# Altium PCB SFYTH_PCB1.PcbDoc
Units mm, origin at the board's own origin, x right, y up, seen from the top; angles counter-clockwise.
Board outline 100.22 x 100.22 mm, 2 copper layers (Top Layer, Bottom Layer); 62 components, 80 nets, 286 pads, 73 vias.
Unrouted connection lines stored in the file: 3.
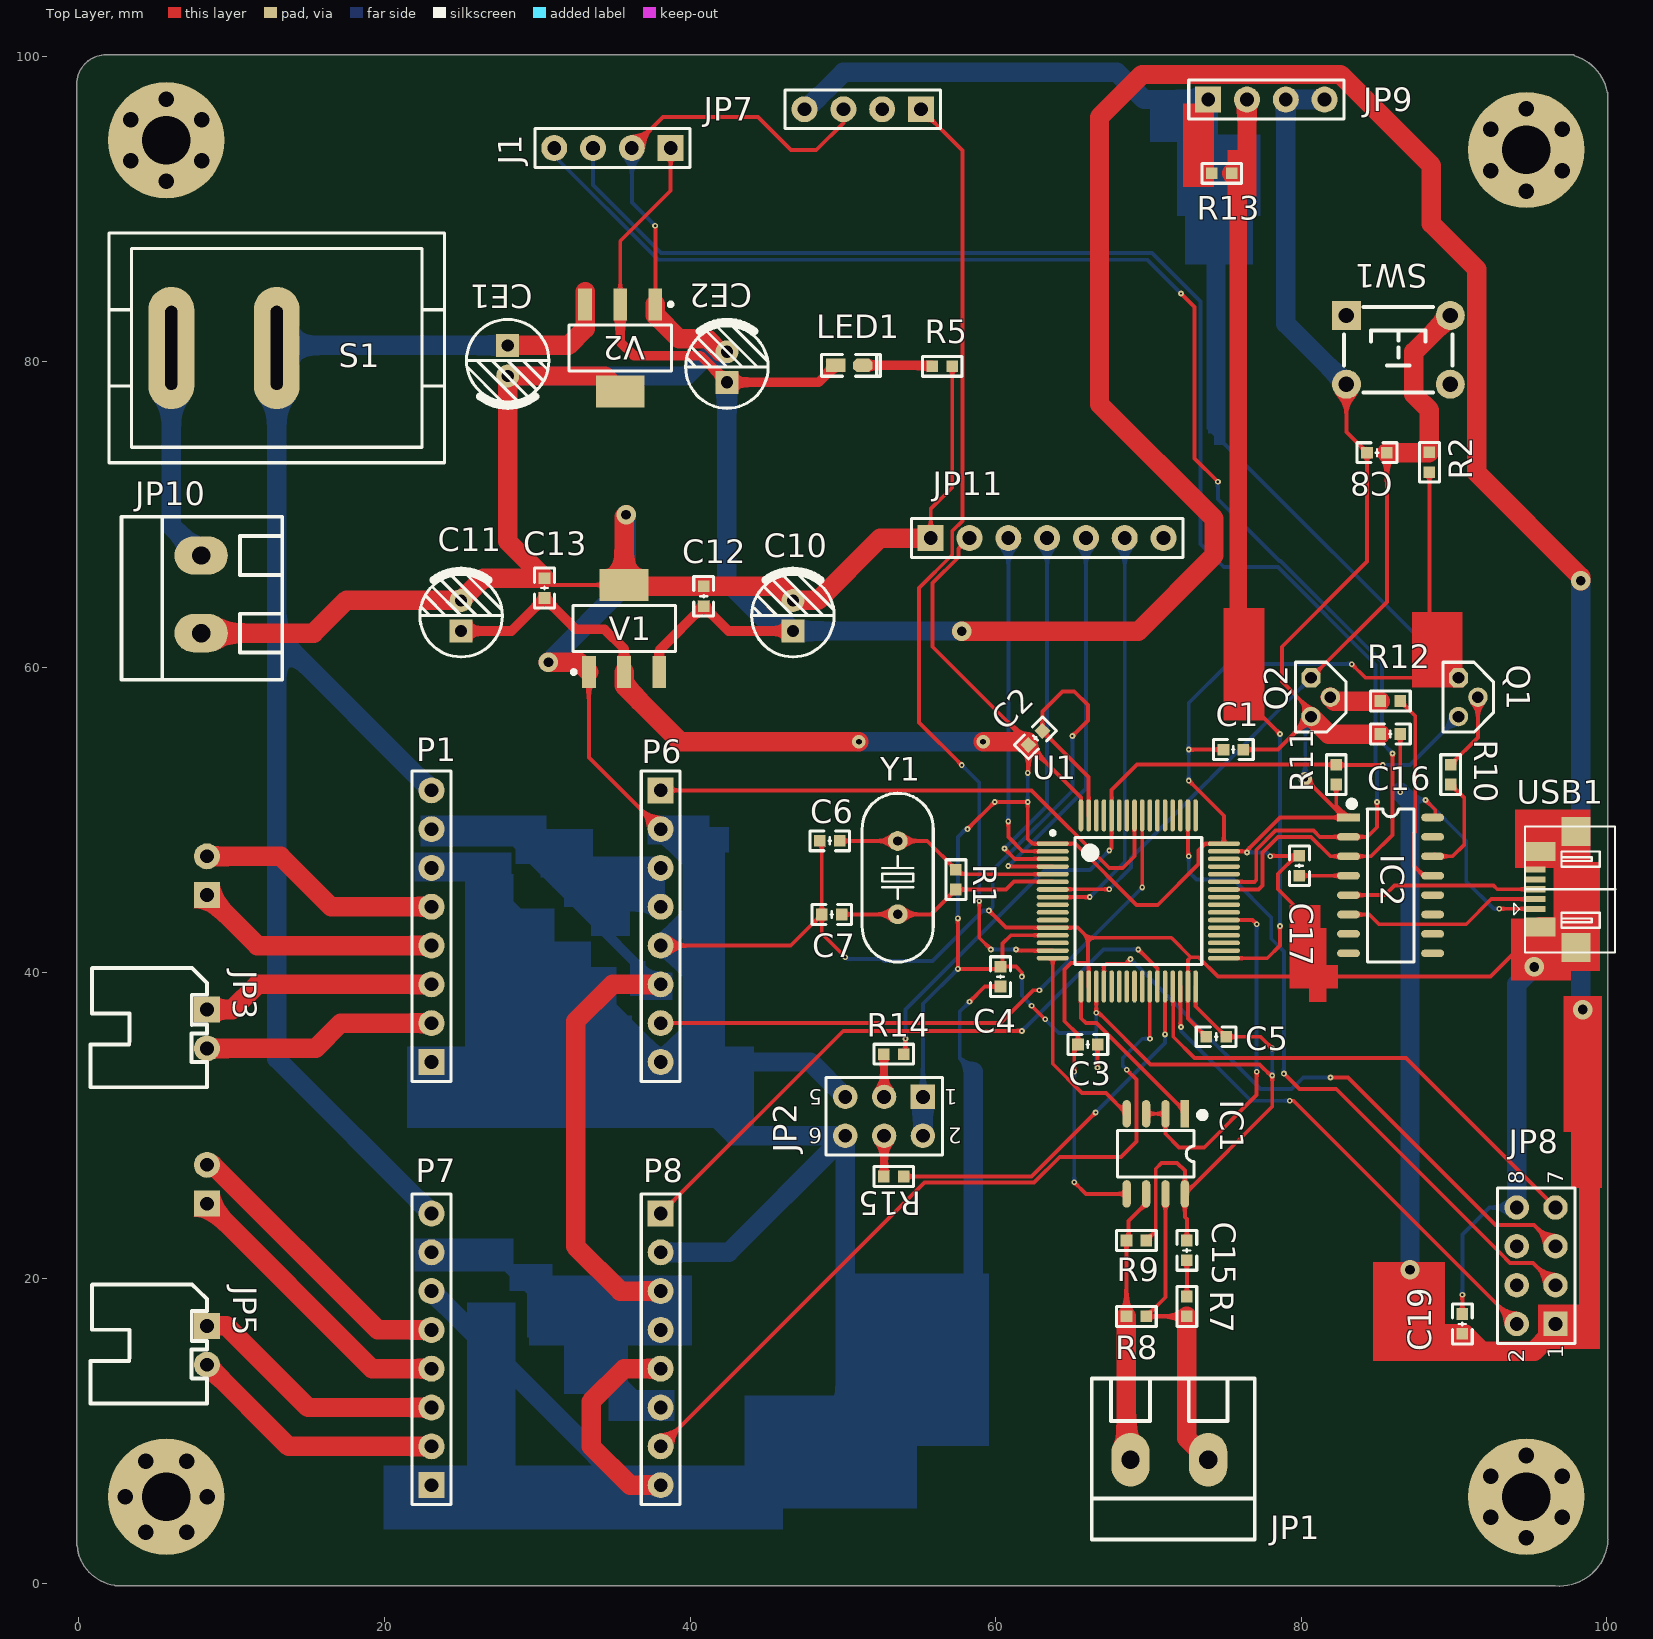
[diagram p0: Top Layer view]
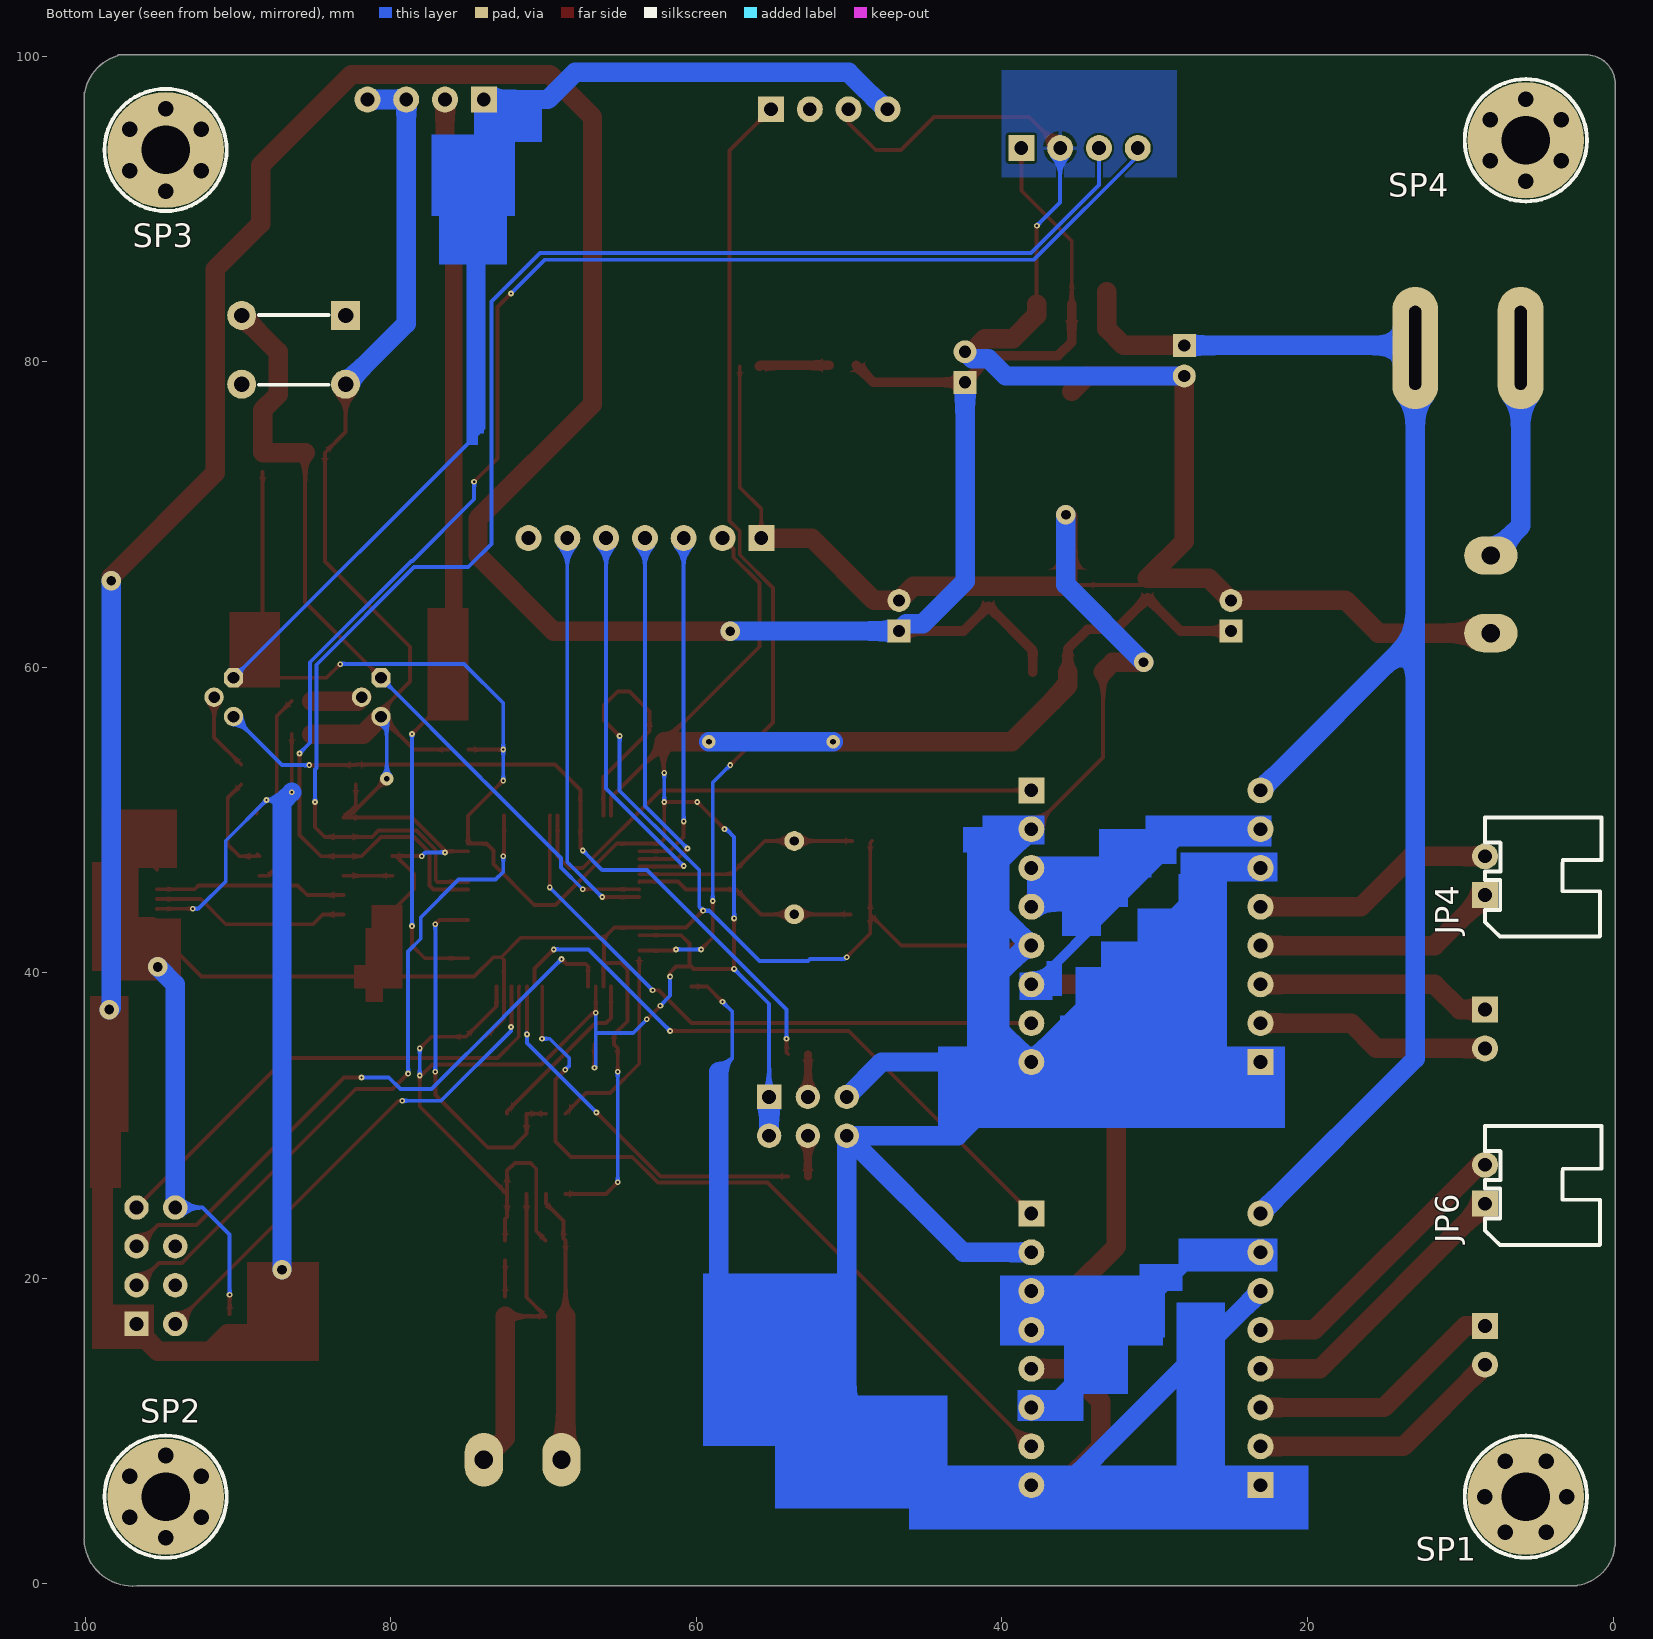
[diagram p1: Bottom Layer view, seen from below]

## Layer stack, top to bottom
Top Solder: solder mask 0.0102, Solder Resist, Dk 3.5
Top Layer: signal copper 0.0356
Dielectric 1: dielectric 0.32, FR-4, Dk 4.8
Bottom Layer: signal copper 0.0356
Bottom Solder: solder mask 0.0102, Solder Resist, Dk 3.5

## Board outline
-0.117,2.49 cw(c0,2.54) -0.127,2.54 -0.127,2.626 cw(c2.77,2.775) -0.127,2.924 -0.127,98.137 cw(c-0.005,98.171) -0.132,98.171 cw(c1.778,98.171) 1.642,100.076 cw(c1.778,98.171) 1.909,100.076 97.792,100.076 cw(c97.792,99.949) 97.9,100.017 cw(c97.018,97.088) 100.028,97.636 cw(c99.949,97.536) 100.076,97.536 100.076,2.965 cw(c99.957,2.921) 100.084,2.921 cw(c99.957,2.921) 100.084,2.915 cw(c96.901,3.048) 100.076,2.789 100.076,2.667 cw(c99.949,2.667) 100.055,2.596 cw(c96.901,3.048) 96.642,-0.127 2.413,-0.127 cw(c2.413,0) 2.324,-0.091 cw(c2.77,2.775)

## Design rules (kind name [scope] priority, off if disabled: settings)
Clearance [All] p1: gap=0.152 ignorepadtopadclearanceinfootprint=FALSE except(0: Arc-Hole Track-Hole SMDPad-Hole THPad-Hole Via-Hole Fill-Hole Poly-Hole Region-Hole Text-Hole)
PolygonConnect [All] p1: connectstyle=Relief reliefconductorwidth=0.254 reliefentries=4 polygonreliefangle="90 Angle" airgapwidth=0.254
RoutingVias [All] p1: holewidth=0.381 width=0.889 viastyle="Through Hole" minholewidth=0.152 minwidth=0.381 maxholewidth=0.635 maxwidth=1.27
SolderMaskExpansion [All] p1: expansion=0.102 istentingtop=FALSE
Width [All] p1: maxlimit=1.27 minlimit=0.152 preferedwidth=0.254
30 further rules are at their usual default settings.

## Components (designator, comment, footprint, x,y, rotation, side; value= is the part's Value field where it differs from the comment)
C1 "104" "C 0603_L" 75.565,54.61 r0 top
C2 "104" "C 0603_L" 62.611,55.372 r225 top
C3 "104" "C 0603_L" 66.04,35.306 r180 top
C4 "104" "C 0603_L" 60.325,39.751 r270 top
C5 "104" "C 0603_L" 74.437,35.814 r180 top
C6 "20pF" "C 0603_L" 49.149,48.641 r0 top
C7 "20pF" "C 0603_L" 49.276,43.815 r0 top
C8 "104" "C 0603_L" 84.963,74.041 r0 top value=100pF
C10 "10uF" "CAP 2.0*5*11" 46.736,63.373 r90 top value=106
C11 "10uF" "CAP 2.0*5*11" 25.019,63.373 r90 top value=106
C12 "104" "C 0603_L" 40.894,64.643 r270 top
C13 "104" "C 0603_L" 30.48,65.183 r270 top
C15 "104" "C 0603_L" 72.517,21.829 r270 top
C16 "104" "C 0603_L" 85.837,55.626 r0 top
C17 "104" "C 0603_L" 79.883,47.005 r270 top
C19 "104" "C 0603_L" 90.551,17.018 r270 top
CE1 "10uF/16V" "CAP 2.0*5*11" 28.067,80.061 r270 top
CE2 "22uF/16V" "CAP 2.0*5*11" 42.418,79.649 r90 top
IC1 "SP3485" SOP8_N 70.485,28.152 r270 top
IC2 "CH340G" SOP16_L 85.852,45.72 r0 top
J1 "Header 4" HDR2.54-M-LI-4P 34.925,93.98 r180 top
JP1 "HDR-1X2" KF128-5.08-2P 71.374,8.128 r180 top
JP2 "Header3X2" HDR2.54-LI-2x3P 52.705,30.607 r180 top
JP3 "HDR-1X2" XH2.54-WI-2P 8.382,36.322 r270 top
JP4 "HDR-1X2" XH2.54-WI-2P 8.382,46.355 r90 bottom
JP5 "HDR-1X2" XH2.54-WI-2P 8.382,15.621 r270 top
JP6 "HDR-1X2" XH2.54-WI-2P 8.382,26.162 r90 bottom
JP7 "HDR-1X4" HDR2.54-M-LI-4P 51.308,96.52 r180 top
JP8 "Header 4X2" HDR2.54-LI-2x4P 95.377,20.828 r90 top
JP9 "HDR-1X4" HDR2.54-M-LI-4P 77.724,97.155 r0 top
JP10 "HDR-1X2" KF128-5.08-2P 8.001,64.77 r90 top
JP11 "HDR-1X7" HDR2.54-M-LI-7P 63.373,68.453 r0 top
LED1 "红色" "LED 0603G" 50.419,79.749 r0 top
P1 "Header 8" HDR2.54-M-LI-8P 23.08,43.053 r90 top
P6 "Header 8" HDR2.54-M-LI-8P 38.08,43.053 r270 top
P7 "Header 8" HDR2.54-M-LI-8P 23.08,15.357 r90 top
P8 "Header 8" HDR2.54-M-LI-8P 38.08,15.357 r270 top
Q1 "SS8550" TO92B 91.567,58.039 r270 top
Q2 "SS8550" TO92B 81.915,58.039 r270 top
R1 "1M" "R 0603_L" 57.404,46.101 r90 top
R2 "10K" "R 0603_L" 88.392,73.421 r270 top
R5 "10K" "R 0603_L" 56.515,79.695 r0 top
R7 "360" "R 0603_L" 72.517,18.161 r270 top
R8 "120" "R 0603_L" 69.215,17.511 r0 top
R9 "360" "R 0603_L" 69.215,22.479 r180 top
R10 "10K" "R 0603_L" 89.789,52.974 r90 top
R11 "1M" "R 0603_L" 82.296,52.974 r90 top
R12 "10K" "R 0603_L" 85.837,57.785 r0 top
R13 "10K" "R 0603_L" 74.803,92.329 r180 top
R14 "10K" "R 0603_L" 53.34,34.671 r180 top
R15 "10K" "R 0603_L" 53.34,26.67 r0 top
S1 "KCD1-101" KCD1-101 12.954,80.899 r180 top
SP1 "M3铜柱" M3x20_N 5.715,5.715 r180 bottom
SP2 "M3铜柱" M3x20_N 94.742,5.715 r90 bottom
SP3 "M3铜柱" M3x20_N 94.742,93.853 r90 bottom
SP4 "M3铜柱" M3x20_N 5.715,94.488 r90 bottom
SW1 "6x6x5" "TSW DIP-6*6*6" 86.36,80.772 r0 top
U1 "STM32F103RCT6" LQFP64-2 69.342,44.704 r0 top locked
USB1 "USB-5P" USB-MICRO_E 97.663,45.466 r90 top
V1 "AMS1117-3V3" SOT223_L 35.687,62.535 r90 top
V2 "AMS1117-5V" SOT223_L 35.433,80.899 r270 top
Y1 "8MHz" "OSC HC-49S" 53.594,46.228 r270 top

## Footprints (in the part's own frame and the unit in brackets; to place one, negate y for a bottom-side part, rotate by r counter-clockwise, add the part's x,y. Pads: shape width x height; smd on the part's side, far side on the other; paste and mask are expansions set on the pad)
"C 0603_L" [mil] "无极性贴片电容                                       淘宝ID:黄晶宝石"
  rect 30x30 smd: 1(-25.59,0) 2(25.59,0)
  silkscreen extent -51,-26 51,26, body extent -31,-16 31,16, height 32
"CAP 2.0*5*11" [mm] "脚距2mm直径5mm高度11mm                 淘宝ID:黄晶宝石"
  rect 1.5x1.5 hole 0.8: 1(-1,0)
  round 1.5 hole 0.8: 2(1,0)
  silkscreen extent -2.7,-2.7 2.96,2.7, body extent -2.5,-2.5 2.51,2.5, height 11.04
HDR2.54-LI-2x3P [mm] "封装库来自淘宝卖家 ID：黄晶宝石"
  rect 1.6x1.6 hole 0.9: 1(-2.54,-1.27)
  round 1.6 hole 0.9: 2(-2.54,1.27) 3(0,-1.27) 4(0,1.27) 5(2.54,-1.27) 6(2.54,1.27)
  silkscreen extent -3.81,-2.54 3.81,2.54, body extent -3.81,-2.54 3.81,2.54, height 8.5
HDR2.54-LI-2x4P [mm] "双排排针，4x2脚 淘宝ID:黄晶宝石   店铺网址:https://shop463601444.taobao.com"
  rect 1.6x1.6 hole 0.9: 1(-3.81,-1.27)
  round 1.6 hole 0.9: 2(-3.81,1.27) 3(-1.27,-1.27) 4(-1.27,1.27) 5(1.27,-1.27) 6(1.27,1.27) 7(3.81,-1.27) 8(3.81,1.27)
  silkscreen extent -5.08,-2.54 5.08,2.54, body extent -5.08,-2.54 5.08,2.54, height 8.5
HDR2.54-M-LI-4P [mm] "排母，4脚  淘宝ID:黄晶宝石   店铺网址:https://shop463601444.taobao.com"
  rect 1.7x1.7 hole 0.9: 1(-3.81,0)
  round 1.7 hole 0.9: 2(-1.27,0) 3(1.27,0) 4(3.81,0)
  silkscreen extent -5.08,-1.27 5.08,1.27, body extent -5.08,-1.27 5.08,1.27, height 8.5
HDR2.54-M-LI-7P [mm] "排母，7脚"
  rect 1.7x1.7 hole 0.9: 1(-7.62,0)
  round 1.7 hole 0.9: 2(-5.08,0) 3(-2.54,0) 4(0,0) 5(2.54,0) 6(5.08,0) 7(7.62,0)
  silkscreen extent -8.89,-1.27 8.89,1.27, body extent -8.89,-1.27 8.89,1.27, height 8.5
HDR2.54-M-LI-8P [mm] "排母，8脚"
  rect 1.7x1.7 hole 0.9: 1(-8.89,0)
  round 1.7 hole 0.9: 2(-6.35,0) 3(-3.81,0) 4(-1.27,0) 5(1.27,0) 6(3.81,0) 7(6.35,0) 8(8.89,0)
  silkscreen extent -10.16,-1.27 10.16,1.27, body extent -10.16,-1.27 10.16,1.27, height 8.5
KCD1-101 [mm] "船型开关立式      淘宝ID:黄晶宝石"
  oval 3x8 hole 0.8 slot 5.5 at 90 deg: 1(0,0) 2(6.9,0)
  silkscreen extent -10.97,-7.52 10.97,7.52, body extent -10.95,-7.5 10.95,7.5, height 20.3
KF128-5.08-2P [mm] "螺钉式接线端子，脚距5.08mm"
  oval 2.5x3.5 hole 1.2: 1(-2.54,0) 2(2.54,0)
  silkscreen extent -5.59,-5.31 5.08,5.21, body extent -5.58,-5.3 5.08,5.2, height 14.15
"LED 0603G" [mil] "绿色0603LED                                   淘宝ID:黄晶宝石"
  rect 50x35 smd: 1(-35,0.26)
  oct 50x35 smd: 2(35,0.26)
  silkscreen extent -71,-28 81,28, body extent -31,-16 32,16, height 18
LQFP64-2 [mm] "LQFP64"
  oval 2.1x0.3 smd: 1(-5.6,3.75) 2(-5.6,3.25) 3(-5.6,2.75) 4(-5.6,2.25) 5(-5.6,1.75) 6(-5.6,1.25) 7(-5.6,0.75) 8(-5.6,0.25) 9(-5.6,-0.25) 10(-5.6,-0.75) 11(-5.6,-1.25) 12(-5.6,-1.75) 13(-5.6,-2.25) 14(-5.6,-2.75) 15(-5.6,-3.25) 16(-5.6,-3.75) 33(5.6,-3.75) 34(5.6,-3.25) 35(5.6,-2.75) 36(5.6,-2.25) 37(5.6,-1.75) 38(5.6,-1.25) 39(5.6,-0.75) 40(5.6,-0.25) 41(5.6,0.25) 42(5.6,0.75) 43(5.6,1.25) 44(5.6,1.75) 45(5.6,2.25) 46(5.6,2.75) 47(5.6,3.25) 48(5.6,3.75)
  oval 0.3x2.1 smd: 17(-3.75,-5.6) 18(-3.25,-5.6) 19(-2.75,-5.6) 20(-2.25,-5.6) 21(-1.75,-5.6) 22(-1.25,-5.6) 23(-0.75,-5.6) 24(-0.25,-5.6) 25(0.25,-5.6) 26(0.75,-5.6) 27(1.25,-5.6) 28(1.75,-5.6) 29(2.25,-5.6) 30(2.75,-5.6) 31(3.25,-5.6) 32(3.75,-5.6) 49(3.75,5.6) 50(3.25,5.6) 51(2.75,5.6) 52(2.25,5.6) 53(1.75,5.6) 54(1.25,5.6) 55(0.75,5.6) 56(0.25,5.6) 57(-0.25,5.6) 58(-0.75,5.6) 59(-1.25,5.6) 60(-1.75,5.6) 61(-2.25,5.6) 62(-2.75,5.6) 63(-3.25,5.6) 64(-3.75,5.6)
  silkscreen extent -5.72,-4.15 4.15,4.57, body extent -5,-5 5,5, height 1.6
M3x20_N [mil] "M3铜柱，长：20mm"
  round 40 hole 40: 1(-106,0) 1(-53,-91.8) 1(-53,91.8) 1(53,-91.8) 1(53,91.8) 1(106,0)
  round 300 hole 125: 1(0,0)
  silkscreen extent -157,-157 157,157, body extent -106,-93 106,93, height 789
"OSC HC-49S" [mm] "封装库来自淘宝卖家 ID：黄晶宝石"
  round 1.3 hole 0.6: 1(-2.4,0) 2(2.4,0)
  silkscreen extent -5.52,-2.32 5.52,2.33, body extent -5.52,-2.32 5.53,2.33, height 4.13
"R 0603_L" [mil] "1/10W贴片电阻                 淘宝ID:黄晶宝石"
  rect 30x30 smd: 1(-25.59,0) 2(25.59,0)
  silkscreen extent -51,-26 51,26, body extent -31,-16 32,16, height 16
SOP8_N [mm] "5*6*1.8mm（长宽高）封装库来自淘宝卖家 ID：黄晶宝石"
  rect 1.8x0.55 smd: 1(-2.625,1.905)
  oval 1.8x0.55 smd: 2(-2.625,0.635) 3(-2.625,-0.635) 4(-2.625,-1.905) 5(2.625,-1.905) 6(2.625,-0.635) 7(2.625,0.635) 8(2.625,1.905)
  silkscreen extent -2.69,-2.5 1.52,3.2, body extent -3,-2.5 3,2.5, height 1.9
SOP16_L [mm] "10.3*6.2*1.8mm（长宽高）封装库来自淘宝卖家 ID：黄晶宝石"
  rect 1.5x0.5 smd: 1(-2.752,4.445)
  oval 1.5x0.5 smd: 2(-2.752,3.175) 3(-2.752,1.905) 4(-2.752,0.635) 5(-2.752,-0.635) 6(-2.752,-1.905) 7(-2.752,-3.175) 8(-2.752,-4.445) 9(2.752,-4.445) 10(2.752,-3.175) 11(2.752,-1.905) 12(2.752,-0.635) 13(2.752,0.635) 14(2.752,1.905) 15(2.752,3.175) 16(2.752,4.445)
  silkscreen extent -2.69,-5 1.52,5.49, body extent -3,-5 3,5, height 1.9
SOT223_L [mm] "SOT223, 4-Leads, Body 6.5x3.5mm, Pitch 2.3mm, Lead Span 7mm, IPC High Density"
  rect 2.1x0.9 smd: 1(-2.85,2.3) 2(-2.85,0) 3(-2.85,-2.3)
  rect 2.1x3.2 smd: 4(2.85,0)
  silkscreen extent -2.97,-3.35 1.5,3.42, body extent -1.85,-3.35 1.85,3.35, height 1.7
TO92B [mil] "92晶体管"
  oct 50x50 hole 30: 1(-50,-50)
  round 50 hole 30: 2(0,0) 3(50,-50)
  silkscreen extent -90,-90 90,40, body extent -91,-101 91,41, height 118
"TSW DIP-6*6*6" [mm] "6*6*6mm"
  rect 1.9x1.9 hole 1: 1(-3.4,2.25)
  round 1.9 hole 1: 2(-3.4,-2.25) 3(3.4,-2.25) 4(3.4,2.25)
  silkscreen extent -3.56,-2.79 3.56,2.79, body extent -4.11,-3 4.11,3, height 5.95
USB-MICRO_E [mm] "micro型USB ，5.9*8.2*2.5mm  淘宝ID:黄晶宝石   店铺网址:https://shop463601444.taobao.com"
  rect 0.4x1.4 smd: 1(-1.296,2.355) 2(-0.648,2.355) 3(0,2.355) 4(0.648,2.355) 5(1.295,2.355)
  rect 1.9x1.9 smd: 5(-3.81,-0.312) 5(3.784,-0.312)
  rect 1.25x2 smd: 5(-2.464,2.025) 5(2.464,2.025)
  silkscreen extent -4.14,-2.89 4.11,3.75, body extent -3.98,-2.77 3.98,2.65, height 2.69
XH2.54-WI-2P [mm] "接插件，2P"
  rect 1.7x1.7 hole 0.9: 1(-1.27,0)
  round 1.7 hole 0.9: 2(1.27,0)
  silkscreen extent -3.99,-7.62 3.81,0, body extent -3.77,-7.35 3.77,0.35, height 5.73

## Part data
C1 C2 C3 C4 C5: library part CAP
C6 C7: library part CAP, "CAP CHIP 20P 50V(+-5% C0G 0603)"
C8: library part CAP, "GRM39 X7R102K50PT", Published=8-Jun-2000, Publisher="Altium Limited", REF="GRM39 X7R102K50PT", Revision="July-2002: Re-released for DXP Platform."
C10 C11: library part "Cap Pol3", "Polarized Capacitor (Surface Mount)", LatestRevisionDate=29-May-2009, LatestRevisionNote="IPC-7351 Footprint Added.", PackageDescription="Chip Capacitor", PackageReference=C0805, Published=8-Jun-2000, Publisher="Altium Limited"
C12 C13 C15 C16 C17 C19: library part C, "贴片电容", BOM名称=无极性贴片电容, 唯一出售店铺网址=https://shop463601444.taobao.com, 淘宝ID="封装库来自淘宝 ID：黄晶宝石", 联系售后，技术支持=https://shop463601444.taobao.com
CE1 CE2: library part CE, "直插电解电容", BOM名称=直插电解电容, 淘宝ID="封装库来自淘宝 ID：黄晶宝石", 联系售后=https://shop463601444.taobao.com
IC1: "RS485总线收发芯片", BOM名称=RS485总线收发芯片, 学习资源=https://shop463601444.taobao.com, 版权归属="封装库来自淘宝 ID：黄晶宝石"
IC2: "串口转USB", BOM名称=串口转USB, 学习资源=https://shop463601444.taobao.com, 版权归属="封装库来自淘宝 ID：黄晶宝石"
J1: "Header, 4-Pin", LatestRevisionDate=17-Jul-2002, LatestRevisionNote="Re-released for DXP Platform.", Publisher="Altium Limited"
JP1 JP3 JP4 JP5 JP6 JP10: library part "Header 2", "2P接插件", BOM名称=2P接插件
  JP1 JP10: 学习资源=https://shop463601444.taobao.com, 版权归属="封装库来自淘宝卖家 ID：黄晶宝石"
  JP3 JP4 JP5 JP6: 版权归属="封装库来自淘宝 ID：黄晶宝石", 联系售后=https://shop463601444.taobao.com
JP2: library part "Header 3X2", "3*2P接插件", BOM名称=3*2P接插件, 学习资源=https://shop463601444.taobao.com, 版权归属="封装库来自淘宝 ID：黄晶宝石"
JP7 JP9: library part "Header 4", "4P接插件", BOM名称=4P接插件, 学习资源=https://shop463601444.taobao.com, 版权归属="封装库来自淘宝 ID：黄晶宝石"
JP8: "4*2P接插件", BOM名称=4*2P接插件, 学习资源=https://shop463601444.taobao.com, 版权归属="封装库来自淘宝 ID：黄晶宝石"
JP11: library part "Header 7", "7P接插件", BOM名称=7P接插件, 学习资源=https://shop463601444.taobao.com, 版权归属="封装库来自淘宝 ID：黄晶宝石"
LED1: library part LED-SMD, "贴片LED", BOM名称=贴片LED, 学习资源=https://shop463601444.taobao.com, 版权归属="封装库来自淘宝 ID：黄晶宝石"
P1 P6 P7 P8: "Header, 8-Pin", LatestRevisionDate=17-Jul-2002, LatestRevisionNote="Re-released for DXP Platform.", Publisher="Altium Limited"
Q1 Q2: library part 8550-DIP, "高频放大-PNP型", BOM名称=高频放大-PNP型, 属性="40V 1.5A 1W 100MHZ", 技术支持，联系售后=https://shop463601444.taobao.com, 版权归属="封装库来自淘宝 ID：黄晶宝石"
R1 R2: library part RES
R5 R7 R8 R9 R10 R11 R12 R13 R14 R15: library part R, "贴片电阻", BOM名称=贴片电阻, 封装库来自淘宝卖家 ID：黄晶宝石=其他店铺购入均为盗版，不享受售后技术支持服务，请立即申请退款, 版权归属="来自淘宝 ID：黄晶宝石", 联系售后=https://shop463601444.taobao.com
S1: "1路单刀船型开关", BOM名称=1路单刀船型开关, 学习资源=https://shop463601444.taobao.com, 版权归属="封装库来自淘宝 ID：黄晶宝石"
SP1 SP2 SP3 SP4: library part 铜柱大焊盘, "铜柱", BOM名称=铜柱, 学习资源=https://shop463601444.taobao.com, 版权归属="封装库来自淘宝 ID：黄晶宝石"
SW1: library part "TSW DIP-6x6", "直插6x6轻触开关", BOM名称=直插6x6轻触开关, 唯一出售店铺网址=https://shop463601444.taobao.com, 版权归属="封装库来自淘宝 ID：黄晶宝石"
U1: library part STM32F103RBT6
USB1: "微型USB母座", BOM名称=微型USB母座, 学习资源=https://shop463601444.taobao.com
V1 V2: library part AMS1117, "三端稳压芯片", BOM名称=稳压芯片, 欢迎光临淘宝店铺=https://shop463601444.taobao.com, 淘宝ID="封装库来自淘宝 ID：黄晶宝石"
Y1: library part CRYSTAL, "Crystal 8MHz PLUG"

## Via types
v1: diameter 0.381, hole 0.152, Top Layer to Bottom Layer, 63 vias
v2: diameter 1.27, hole 0.635, Top Layer to Bottom Layer, 7 vias
v3: diameter 0.889, hole 0.381, Top Layer to Bottom Layer, 3 vias

## Nets (pads, with @x,y where several pads share a name; then routed paths per layer and width w, separated by ;. In a path a pad name is that pad's centre, name@x,y a point inside that pad or via, vN(x,y) a via of type N, cw(c..) or ccw(c..) an arc to the next point about the centre after c; other vN are vias at no path point)
+5: C10.1 C12.2 C16.2 C19.2 CE2.1 IC2.16 J1.1 JP8.1 LED1.1 USB1.1 V1.3 V2.2 | length 292.3
  Top Layer w0.254: V2.2 35.433,87.884 38.735,91.186 J1.1 ; v1(86.487,51.816) C16.2 ; 87.122,18.034 87.122,18.288 ; v1(88.138,51.308) 88.773,50.673 88.773,50.419 ; v1(92.964,44.196) 95.282,44.196 USB1.1
  Top Layer w0.635: V2.2 35.433,81.28 36.322,80.391 40.676,80.391 CE2.1 48.423,78.649 LED1.1 ; V1.3 37.987,61.086 C12.2 42.514,62.373 C10.1
  Top Layer w1.27: v2(57.785,62.357) 69.342,62.357 74.295,67.31 74.295,69.723 66.802,77.216 66.802,96.012 69.582,98.792 82.564,98.792 88.519,92.837 88.519,89.027 91.497,86.049 91.497,72.714 98.298,65.913 v2(98.298,65.659) ; 87.122,18.034 88.788,16.368 C19.2 90.693,16.368 91.821,15.24 95.25,15.24 96.647,16.637 JP8.1 97.79,17.018 98.806,18.034 98.806,37.211 v2(98.425,37.592) ; 87.122,18.288 v2(87.122,20.574)
  Bottom Layer w0.254: 86.995,51.308 v1(88.138,51.308) 90.805,48.641 90.805,45.974 92.583,44.196 v1(92.964,44.196)
  Bottom Layer w1.27: CE2.1 42.418,65.616 45.199,62.836 46.273,62.836 C10.1 57.801,62.373 v2(57.785,62.357) ; v1(86.487,51.816) 86.995,51.308 87.122,51.181 v2(87.122,20.574) ; v2(98.298,65.659) 98.298,37.719 v2(98.425,37.592)
A: IC1.6 JP1.2 R8.1 R9.2 | length 18
  Top Layer w0.254: R8.1 R9.2 68.707,22.621 68.707,23.749 69.85,24.892 IC1.6
  Top Layer w1.27: R8.1 68.565,8.397 JP1.2
ADC1: JP7.1 U1.15 | length 63.3
  Top Layer w0.254: JP7.1 57.825,93.813 57.825,69.583 57.164,68.921 57.164,67.364 54.991,65.191 54.991,56.388 v1(57.785,53.594) ; v1(58.928,44.704) 58.928,42.291 v1(59.69,41.529) ; v1(61.341,41.529) 61.416,41.454 U1.15
  Bottom Layer w0.254: v1(57.785,53.594) 58.928,52.451 v1(58.928,44.704) ; v1(59.69,41.529) v1(61.341,41.529)
AIN1: P1.7 P6.3 P6.4 P6.6 P7.7 P8.3 P8.4 P8.6 | length 94.1
  Top Layer w1.27: P8.3 35.443,19.167 32.512,22.098 32.512,36.83 34.925,39.243 P6.6
  Bottom Layer w0.635: P7.7 27.061,21.707 29.601,19.167 ; P1.7 27.686,49.403 30.226,46.863 ; P8.6 37.221,11.547 32.141,16.627 ; P8.4 32.141,16.627 ; P8.3 29.601,19.167 ; P6.6 37.846,39.243 32.766,44.323 ; P6.4 32.766,44.323 ; P6.3 30.226,46.863 ; 29.601,19.167 32.141,16.627 ; 30.226,46.863 32.766,44.323
AIN2: C1.2 C2.1 C3.2 C4.2 C5.2 C6.1 C7.1 C8.1 C10.2 C11.2 C12.1 C13.1 C16.1 C17.1 C19.1 CE1.2 CE2.2 IC1.5 IC2.1 J1.2 JP2.5 JP2.6 JP7.3 JP8.8 JP9.3 JP9.4 JP10.1 JP11.1 P1.1 P1.6 P6.2 P6.5 P6.8 P7.1 P7.6 P8.2 P8.5 P8.8 Q2.3 R5.2 R11.1 SW1.2 SW1.3 U1.12 U1.18 U1.31 U1.47 U1.63 USB1.5 V1.1 V1.4 V2.1 V2.4 | length 636.9
  Top Layer w0.254: C13.1 30.928,65.385 V1.4 ; V1.1 33.387,54.096 P6.2 ; J1.2 38.227,96.012 44.45,96.012 46.609,93.853 48.26,93.853 50.038,95.631 JP7.3 ; v1(37.719,88.9) 37.733,88.886 V2.1 ; P6.5 46.594,41.783 C7.1 ; C6.1 48.626,48.514 C7.1 ; v1(50.165,41.021) 48.626,42.56 C7.1 ; JP11.1 55.753,70.358 57.165,71.77 R5.2 ; v1(58.293,38.1) 59.294,39.101 C4.2 ; v1(59.563,44.069) 60.678,42.954 U1.12 65.377,42.954 66.04,42.291 ; v1(65.024,55.499) 66.04,56.515 66.04,57.531 65.151,58.42 64.389,58.42 63.071,57.102 C2.1 66.092,52.81 U1.63 ; v1(65.151,26.289) 65.913,25.527 IC1.5 ; v1(65.151,33.528) 65.151,35.067 C3.2 65.39,35.956 64.516,36.83 64.516,40.221 64.935,40.64 65.913,40.64 66.04,40.513 ; U1.18 66.092,40.461 66.04,40.513 ; C5.2 72.592,37.009 U1.31 72.592,40.842 72.771,41.021 ; U1.47 76.379,47.954 v1(76.454,47.879) 76.454,48.012 78.607,50.165 IC2.1@82.804,50.165 ; C1.2 78.486,54.61 Q2.3 80.645,57.15 78.74,59.055 78.74,61.341 84.313,66.914 C8.1 82.96,75.394 SW1.2 ; v1(77.978,47.625) 78.008,47.655 C17.1@79.659,47.655 ; C17.1 C17.1@79.659,47.655 ; v3(80.264,52.705) IC2.1@82.804,50.165 ; R11.1 82.296,50.969 IC2.1 IC2.1@82.804,50.165 ; C19.1 v1(90.551,18.923) ; USB1.5@95.308,46.761 95.638,47.091 USB1.5@95.638,47.93 ; USB1.5@95.638,43.002 92.387,39.751 82.169,39.751 ; 66.04,40.513 66.04,42.291 ; 66.04,42.291 71.501,42.291 72.771,41.021 ; 72.771,41.021 73.279,41.021 74.549,39.751 82.169,39.751 ; C17.1@79.659,47.655 78.486,46.482 78.486,45.466 81.28,42.672 81.28,40.64 82.169,39.751
  Top Layer w1.27: JP10.1 15.367,62.23 17.526,64.389 25.003,64.389 C11.2 26.48,65.834 C13.1 28.067,68.246 CE1.2 34.421,79.061 V2.4 ; v2(30.734,60.325) 32.747,60.325 V1.1 ; v2(35.814,69.977) 35.687,69.85 V1.4 35.779,65.293 C12.1 45.816,65.293 C10.2 48.371,64.373 52.451,68.453 JP11.1 ; V2.1 37.733,83.044 39.281,81.496 41.134,81.496 41.981,80.649 CE2.2 ; P8.8 36.078,6.467 33.528,9.017 33.528,11.938 35.677,14.087 P8.5 ; Q2.3 81.788,55.626 C16.1 ; v2(95.25,40.386) 96.52,41.656 USB1.5@97.975,41.656 ; USB1.5@95.638,43.002 96.629,43.002 USB1.5@97.975,41.656 ; USB1.5@95.638,47.93 96.959,49.25 97.975,49.25 USB1.5@97.975,41.656
  Bottom Layer w0.254: J1.2 36.195,90.424 v1(37.719,88.9) ; v1(50.165,41.021) 50.292,40.894 52.578,40.894 52.705,40.767 55.88,40.767 59.182,44.069 v1(59.563,44.069) 59.817,44.323 59.817,46.736 60.564,47.483 60.594,47.483 65.024,51.913 v1(65.024,55.499) ; v1(58.293,38.1) 57.658,37.465 57.658,34.417 58.547,33.528 ; v1(65.151,26.289) v1(65.151,33.528) ; v1(76.454,47.879) 77.724,47.879 v1(77.978,47.625) ; JP9.3@78.994,97.028 JP9.3 ; v3(80.264,52.705) 80.264,56.388 Q2.3 ; v1(90.551,18.923) 90.551,22.86 92.329,24.638 JP8.8
  Bottom Layer w1.27: P7.1 35.78,6.467 ; P7.6 35.78,6.467 ; P1.1 P6.8 ; P1.6 25.38,46.863 P6.8 ; CE1.2 39.755,79.061 40.881,80.186 41.955,80.186 CE2.2 ; v2(30.734,60.325) 35.814,65.405 v2(35.814,69.977) ; P8.2 42.535,21.707 JP2.6@49.784,28.956 ; P6.5 P6.5@38.1,41.783 ; P6.2 40.386,47.097 40.386,44.069 P6.5@38.1,41.783 ; JP2.5 47.879,34.163 P6.8 ; 58.547,33.528 58.547,19.939 50.165,11.557 ; JP9.3@78.994,97.028 78.994,82.488 SW1.2 ; JP9.3 JP9.4 ; JP8.8 94.107,39.243 v2(95.25,40.386) ; 35.78,6.467 P8.8 45.075,6.467 50.165,11.557 ; P6.8 42.906,29.337 JP2.6 50.165,11.557 ; P6.8 40.767,36.85 40.767,39.37 38.354,41.783 P6.5@38.1,41.783
B: IC1.7 JP1.1 R7.2 R8.2 | length 21.1
  Top Layer w0.254: IC1.7 71.12,18.766 R8.2 R7.2
  Top Layer w1.27: R7.2 72.517,9.525 JP1.1
BOOT0: Q1.3 R11.2 R14.1 U1.60 | length 49.4
  Top Layer w0.254: R14.1 54.102,34.783 v1(54.102,35.687) ; v1(67.437,48.006) 67.592,48.161 U1.60 67.592,51.971 69.245,53.624 R11.2 82.326,53.594 v1(85.344,53.594)
  Bottom Layer w0.254: v1(54.102,35.687) 54.102,37.592 63.246,46.736 66.167,46.736 v1(67.437,48.006) ; v1(85.344,53.594) 87.122,53.594 Q1.3
BOOT1: R15.2 U1.28 | length 24.5
  Top Layer w0.254: R15.2 62.357,26.67 v1(66.548,30.861) ; v1(71.092,35.969) U1.28
  Bottom Layer w0.254: v1(66.548,30.861) 71.092,35.405 v1(71.092,35.969) 71.092,36.04 v1@71.12,36.068
DO: JP7.2
DS18B20: JP9.2 R13.1 U1.33 | length 61.1
  Top Layer w0.254: U1.33 77.784,40.954 78.613,41.783 v1(78.613,43.053) ; R13.1 75.453,58.786 v1(78.613,55.626)
  Top Layer w1.27: R13.1 76.454,93.33 JP9.2
  Bottom Layer w0.254: v1(78.613,43.053) v1(78.613,55.626)
JTCK/SWCLK: U1.49
JTDO/PB3: U1.55
JTMS/SWDIO: U1.46
KEY0: U1.9
LED0: U1.41
LED1: U1.54
M1+: JP3.1 P1.3 | length 15.4
  Top Layer w1.27: JP3.1 10.033,37.592 11.684,39.243 P1.3
M1-: JP3.2 P1.2 | length 15.4
  Top Layer w1.27: JP3.2 15.494,35.052 17.145,36.703 P1.2
M2+: JP4.2 P1.5 | length 16.1
  Top Layer w1.27: JP4.2 13.208,47.625 16.51,44.323 P1.5
M2-: JP4.1 P1.4 | length 16.1
  Top Layer w1.27: JP4.1 11.684,41.783 P1.4
M3+: JP5.1 P7.3 | length 16.9
  Top Layer w1.27: JP5.1 9.652,16.891 14.996,11.547 P7.3
M3-: JP5.2 P7.2 | length 16.9
  Top Layer w1.27: JP5.2 13.726,9.007 P7.2
M4+: JP6.2 P7.5 | length 19.2
  Top Layer w1.27: JP6.2 8.763,27.432 19.568,16.627 P7.5
M4-: JP6.1 P7.4 | length 19.2
  Top Layer w1.27: JP6.1 19.187,14.087 P7.4
NetC15_2: C15.2 R7.1 | length 2.4
  Top Layer w0.254: R7.1 C15.2
NetC17_2: C17.2 IC2.4 | length 3.2
  Top Layer w0.254: C17.2 IC2.4
NetIC2_13: IC2.13 R12.2 | length 12.7
  Top Layer w0.254: R12.2 87.465,56.807 87.465,49.208 87.376,49.119 87.376,46.99 88.011,46.355 IC2.13
NetIC2_14: IC2.14 R10.1 | length 6.8
  Top Layer w0.254: IC2.14 88.731,47.752 88.731,47.667 88.773,47.625 89.916,47.625 90.678,48.387 90.678,51.435 R10.1
NetJP2_3: JP2.3 R14.2 | length 2.8
  Top Layer w0.508: R14.2 52.69,31.892 JP2.3
NetJP2_4: JP2.4 R15.1 | length 2.7
  Top Layer w0.508: R15.1 52.705,26.685 JP2.4
NetLED1_2: LED1.2 R5.1 | length 4.6
  Top Layer w0.635: LED1.2 55.804,79.756 R5.1
NetQ1_2: Q1.2 R10.2 | length 5.2
  Top Layer w0.254: R10.2 91.567,55.402 Q1.2
NetQ2_2: Q2.2 R12.1 | length 3.4
  Top Layer w1.27: Q2.2 82.169,57.785 R12.1
OSC_IN2: C6.2 R1.2 U1.5 Y1.1 | length 14.8
  Top Layer w0.254: C6.2 49.812,48.628 Y1.1 55.527,48.628 R1.2 57.701,46.454 U1.5
OSC_OUT2: C7.2 R1.1 U1.6 Y1.2 | length 14.7
  Top Layer w0.254: C7.2 49.939,43.828 Y1.2 55.781,43.828 R1.1 60.691,45.451 61.214,45.974 63.722,45.974 U1.6
PA0: U1.14
PA2: IC1.4 U1.16 | length 13.1
  Top Layer w0.254: U1.16 63.742,34.048 65.659,32.131 67.226,32.131 IC1.4
PA3: IC1.1 U1.17 | length 11.5
  Top Layer w0.254: U1.17 65.592,37.024 65.913,36.703 66.603,36.703 72.39,30.916 IC1.1
PA4: JP8.5 U1.20 | length 39.5
  Top Layer w0.254: U1.20 67.092,40.35 67.056,40.386 67.243,40.573 68.513,40.573 v1(68.834,40.894) ; v1(81.915,33.147) 83.058,33.147 92.71,23.495 95.25,23.495 JP8.5
  Bottom Layer w0.254: v1(68.834,40.894) 72.591,37.137 72.606,37.152 72.606,37.122 77.343,32.385 79.375,32.385 80.137,33.147 v1(81.915,33.147)
PA5: U1.21
PA6: U1.22
PA7: U1.23
PA9: IC2.3 J1.4 U1.42 | length 101.3
  Top Layer w0.254: v1(72.136,84.455) 73.025,83.566 73.025,73.66 v1(74.549,72.136) ; U1.42 77.204,45.454 77.47,45.72 77.47,47.879 78.486,48.895 80.645,48.895 81.915,47.625 IC2.3 84.582,47.625 85.979,49.022 v1(85.979,54.356)
  Bottom Layer w0.254: J1.4 31.115,93.472 37.914,86.673 69.918,86.673 v1(72.136,84.455) ; v1(74.549,72.136) 74.549,70.993 78.588,66.954 78.654,66.954 85.281,60.328 85.281,55.054 v1(85.979,54.356)
PA10: IC2.2 J1.3 U1.43 | length 99.6
  Top Layer w0.254: U1.43 76.942,45.954 77.064,46.076 77.064,48.047 78.318,49.301 80.813,49.301 81.22,48.895 IC2.2 84.328,48.895 84.963,49.53 v1(84.963,51.181)
  Bottom Layer w0.254: J1.3 33.655,91.567 38.1,87.122 70.231,87.122 73.406,83.947 73.406,68.072 74.93,66.548 78.486,66.548 84.874,60.16 84.874,53.399 84.963,53.31 v1(84.963,51.181)
PA11: U1.44
PA12: U1.45
PA15: JP8.3 U1.50 | length 44.4
  Top Layer w0.254: U1.50 72.592,47.677 v1(72.644,47.625) ; v1(78.867,33.401) 79.883,32.385 82.296,32.385 93.028,21.653 93.028,21.651 93.66,21.019 95.186,21.019 JP8.3
  Bottom Layer w0.254: v1(72.644,47.625) 72.644,46.609 73.152,46.101 75.565,46.101 78.041,43.624 78.041,42.227 78.867,41.402 v1(78.867,33.401)
PB0: P8.7 U1.26 | length 51
  Top Layer w0.254: P8.7 55.337,26.264 62.525,26.264 64.202,27.94 68.199,27.94 69.215,28.956 69.215,33.02 v1(68.58,33.655) ; U1.26 70.092,35.699 v1(70.104,35.687)
  Bottom Layer w0.254: v1(68.58,33.655) 68.326,33.909 68.326,34.417 69.596,35.687 v1(70.104,35.687)
PB1: P8.1 U1.27 | length 41.4
  Top Layer w0.254: P8.1 50.028,36.195 v1(61.722,36.195) ; v1(69.342,41.529) 70.592,40.279 U1.27
  Bottom Layer w0.254: v1(61.722,36.195) 67.056,41.529 v1(69.342,41.529)
PB4: P6.7 U1.56 | length 39.9
  Top Layer w0.254: P6.7 60.317,36.703 62.476,38.862 v1(62.865,38.862) ; U1.56 69.596,50.3 v1(69.596,45.593)
  Bottom Layer w0.254: v1(62.865,38.862) v1(69.596,45.593)
PB5: P6.1 U1.57 | length 36.1
  Top Layer w0.254: P6.1 62.357,51.943 67.437,46.863 68.326,46.863 69.092,47.629 U1.57
PB6: U1.58
PB7: U1.59
PB8: U1.61
PB9: U1.62
PB10: JP8.7 U1.29 | length 33
  Top Layer w0.254: U1.29 71.628,39.068 71.628,35.814 73.025,34.417 86.868,34.417 JP8.7
PB11: JP8.2 U1.30 | length 32.8
  Top Layer w0.254: U1.30 72.092,36.493 v1(72.136,36.449) ; v1(79.248,31.623) 79.502,31.623 JP8.2
  Bottom Layer w0.254: v1(72.136,36.449) 72.136,36.195 76.708,31.623 v1(79.248,31.623)
PB13: U1.34
PB14: U1.35
PB15: U1.36
PC0: JP11.6 U1.8 | length 26.9
  Top Layer w0.254: U1.8 66.163,44.954 v1(66.167,44.958)
  Bottom Layer w0.254: v1(66.167,44.958) 68.453,47.244 JP11.6
PC2: U1.10
PC3: U1.11
PC4: U1.24
PC5: U1.25
PC6: U1.37
PC7: IC1.2 IC1.3 U1.38 | length 23.8
  Top Layer w0.254: IC1.3 IC1.2 71.12,29.464 72.009,28.575 73.66,28.575 77.089,32.004 v1(77.089,33.528) ; U1.38 76.815,43.454 v1(77.089,43.18)
  Bottom Layer w0.254: v1(77.089,33.528) v1(77.089,43.18)
PC8: U1.39
PC9: U1.40
PC10: U1.51
PC11: U1.52
PC12: U1.53
PC13: JP11.3 U1.2 | length 22.9
  Top Layer w0.254: v1(60.833,49.911) 60.833,48.895 61.774,47.954 U1.2
  Bottom Layer w0.254: v1(60.833,49.911) JP11.3
PC14: JP11.4 U1.3 | length 24.9
  Top Layer w0.254: v1(60.579,48.133) 61.258,47.454 U1.3
  Bottom Layer w0.254: v1(60.579,48.133) 63.373,50.927 JP11.4
PC15: JP11.5 U1.4 | length 26.5
  Top Layer w0.254: v1(60.833,46.99) 60.96,46.99 60.996,46.954 U1.4
  Bottom Layer w0.254: v1(60.833,46.99) 65.913,52.07 JP11.5
RESET: C8.2 Q2.1 R2.1 SW1.1 SW1.4 U1.7 | length 53
  Top Layer w0.254: U1.7 63.754,45.466 v1(67.437,45.466) ; Q2.1 85.613,64.277 C8.2 ; 87.376,77.851 87.503,77.724
  Top Layer w1.27: C8.2 88.362,74.041 R2.1 88.392,76.835 87.503,77.724 ; 87.376,77.851 87.376,80.638 SW1.4
  Bottom Layer w0.254: v1(67.437,45.466) 68.859,46.888 68.859,47.523 73.825,52.489 73.855,52.489 74.13,52.764 74.13,52.794 Q2.1
USB_D+: IC2.5 USB1.3 | length 12.6
  Top Layer w0.254: IC2.5 85.471,45.085 86.106,45.72 92.583,45.72 92.837,45.466 USB1.3
USB_D-: IC2.6 USB1.2 | length 13.1
  Top Layer w0.254: IC2.6 84.455,43.815 85.09,43.18 90.805,43.18 92.443,44.818 USB1.2
VCC3.3: C1.1 C2.2 C3.1 C4.1 C5.1 C11.1 C13.2 C15.1 IC1.8 JP2.1 JP2.2 JP7.4 JP9.1 JP11.2 Q1.1 R2.2 R9.1 R13.2 U1.1 U1.13 U1.19 U1.32 U1.48 U1.64 V1.2 | length 307.2
  Top Layer w0.254: v1(57.531,43.561) v1(57.531,40.259) 60.183,40.259 C4.1 ; v1(58.166,49.403) v1(59.944,51.181) v1(62.103,51.181) 62.103,48.768 62.417,48.454 U1.1 65.211,48.454 69.215,44.45 70.612,44.45 73.279,47.117 73.279,48.006 73.727,48.454 U1.48 74.942,50.28 v1(72.644,52.578) ; JP11.2 57.57,67.73 57.57,67.195 55.88,65.505 55.88,61.341 C2.2@62.103,55.118 ; v1(61.722,39.751) 61.722,40.005 61.326,40.401 C4.1 ; v1(62.103,53.086) 62.151,53.134 C2.2 65.592,51.472 U1.64 ; v1(62.357,37.846) v1(63.246,36.957) ; U1.13 60.996,42.454 60.452,41.91 60.452,40.528 C4.1 ; U1.19 v1(66.592,37.382) 66.758,37.382 70.142,33.998 77.284,33.998 78.008,33.274 v1(78.105,33.274) 78.105,31.242 IC1.8 ; v1(66.675,33.782) 66.675,35.291 C3.1 ; R9.1 70.485,23.099 70.485,27.178 70.866,27.559 71.882,27.559 72.39,27.051 IC1.8 ; C15.1 72.517,23.876 72.39,24.003 IC1.8 ; v1(72.644,54.61) C1.1 ; U1.32 73.092,37.809 C5.1 77.343,35.814 v1(78.105,35.052) ; JP9.1 73.914,92.568 R13.2 ; v1(83.312,60.198) 84.201,59.309 Q1.1 90.297,61.595 88.392,63.5 R2.2
  Top Layer w0.635: C11.1 28.319,62.373 C13.2 32.529,62.484 34.417,62.484 35.687,61.214 V1.2
  Top Layer w1.27: V1.2 35.687,58.801 39.37,55.118 v3(51.054,55.118) ; v3(59.182,55.118) C2.2@61.946,55.118 ; C2.2@62.103,55.118 C2.2@61.946,55.118 ; C2.2 C2.2@61.946,55.118
  Bottom Layer w0.254: JP2.1 55.245,37.973 v1(57.531,40.259) ; v1(57.531,43.561) 57.531,48.895 58.039,49.403 v1(58.166,49.403) ; v1(61.722,39.751) 61.722,38.496 62.357,37.861 v1(62.357,37.846) ; v1(62.103,51.181) v1(62.103,53.086) ; v1(63.246,36.957) 64.135,36.068 66.592,36.068 ; v1(66.592,37.382) 66.592,36.068 ; v1(66.675,33.782) 66.592,33.865 66.592,36.068 ; v1(72.644,52.578) v1(72.644,54.61) 72.644,57.658 75.209,60.223 83.287,60.223 v1(83.312,60.198) ; JP9.1 73.939,97.13 73.939,75.667 Q1.1 ; v1(78.105,33.274) v1(78.105,35.052)
  Bottom Layer w1.27: JP7.4 47.625,96.52 50.038,98.933 67.945,98.933 69.723,97.155 JP9.1 ; v3(51.054,55.118) v3(59.182,55.118) ; JP2.2 JP2.1
VM: CE1.1 JP10.2 P1.8 P7.8 S1.1 S1.2 V2.3 | length 114
  Top Layer w1.27: CE1.1 32.039,81.061 33.133,82.155 V2.3 33.133,84.568 33.147,84.582 V2.3@33.147,83.312
  Bottom Layer w1.27: S1.2 6.054,69.257 JP10.2 ; P7.8 12.954,34.373 12.954,62.069 ; P1.8 12.954,62.069 ; CE1.1 13.116,81.061 S1.1 12.954,62.069
pads on no net: IC2.7 IC2.8 IC2.9 IC2.10 IC2.11 IC2.12 IC2.15 JP8.4 JP8.6 JP11.7 SP1.1 SP2.1 SP3.1 SP4.1 USB1.4

## Polygon pours and split planes (outlines as drawn)
AIN2 on Bottom Layer "Keep-Out Layer-No Net" (solid, pour order 2): 28.575,99.06 40.005,99.06 40.005,92.075 28.575,92.075

## Other copper
Top Layer:
  rectangle net VCC3.3: 87.249,58.674 90.551,63.627
  rectangle net VCC3.3: 72.263,91.44 74.295,96.901
  rectangle net DS18B20: 75.184,90.805 77.089,93.853
  rectangle net DS18B20: 75.453,63.373 76.454,72.39
  rectangle net DS18B20: 74.93,56.515 77.597,63.881
  rectangle net DS18B20: 75.453,72.39 76.454,92.202
  rectangle net AIN2: 81.026,38.989 82.423,40.513
  rectangle net AIN2: 80.518,38.1 81.661,42.926
  rectangle net AIN2: 79.248,38.989 81.28,44.45
  rectangle net AIN2: 93.726,39.497 97.663,43.561
  rectangle net AIN2: 96.52,40.132 99.568,47.244
  rectangle net AIN2: 93.98,46.863 98.933,50.673
  rectangle net +5: 91.313,14.605 92.202,14.859
  rectangle net +5: 91.313,14.605 91.567,14.859
  rectangle net +5: 88.519,14.605 91.567,16.256
  rectangle net +5: 95.504,15.367 99.568,18.288
  rectangle net +5: 98.298,16.129 99.568,26.289
  rectangle net +5: 97.663,25.908 99.695,30.099
  rectangle net +5: 97.155,29.591 99.695,38.481
  rectangle net +5: 84.709,14.605 89.408,21.082
Bottom Layer:
  rectangle net AIN1: 34.671,10.668 38.989,12.7
  rectangle net AIN1: 31.75,12.446 35.941,15.621
  rectangle net AIN1: 29.464,15.621 40.132,20.193
  rectangle net AIN1: 29.337,16.129 39.497,19.558
  rectangle net AIN1: 28.194,19.167 30.988,20.955
  rectangle net AIN1: 21.971,20.447 28.448,22.606
  rectangle net AIN1: 36.703,38.227 38.862,40.005
  rectangle net AIN1: 36.068,38.481 37.084,40.767
  rectangle net AIN1: 33.528,42.418 36.068,44.704
  rectangle net AIN1: 31.75,44.323 38.354,46.355
  rectangle net AIN1: 30.988,45.593 35.433,46.482
  rectangle net AIN1: 30.226,46.228 37.973,47.625
  rectangle net AIN1: 28.575,47.117 33.655,49.403
  rectangle net AIN1: 22.352,48.26 30.607,50.292
  rectangle net AIN2: 25.273,34.925 27.178,46.228
  rectangle net AIN2: 29.718,33.655 35.179,40.386
  rectangle net AIN2: 25.527,34.925 30.861,43.815
  rectangle net AIN2: 34.163,34.798 36.195,37.211
  rectangle net AIN2: 32.111,36.322 35.179,40.132
  rectangle net AIN2: 29.845,38.735 33.528,42.037
  rectangle net AIN2: 26.67,40.132 31.115,44.196
  rectangle net AIN2: 25.273,43.561 28.448,46.482
  rectangle net AIN2: 21.971,45.974 28.321,47.879
  rectangle net AIN2: 39.624,47.859 42.545,49.53
  rectangle net AIN2: 37.211,48.387 41.275,50.292
  rectangle net AIN2: 39.497,34.798 42.291,48.514
  rectangle net AIN2: 21.463,29.845 44.196,35.179
  rectangle net VCC3.3: 74.295,74.549 75.057,75.438
  rectangle net VCC3.3: 73.914,75.311 75.057,75.819
  rectangle net VCC3.3: 73.914,75.819 75.057,85.471
  rectangle net VCC3.3: 73.914,85.471 75.057,86.614
  rectangle net VCC3.3: 73.914,84.582 74.803,86.106
  rectangle net VCC3.3: 72.39,86.36 76.835,89.662
  rectangle net VCC3.3: 71.882,89.535 77.343,94.869
  rectangle net VCC3.3: 70.104,94.361 74.549,97.79
  rectangle net AIN2: 43.561,4.953 54.864,12.319
  rectangle net AIN2: 50.038,9.017 59.563,20.32
  rectangle net AIN2: 25.4,5.969 28.575,18.415
  rectangle net AIN2: 19.939,3.556 46.101,7.747

## Silkscreen, mask and mechanical layers (free items; w line width, h text height)
Mechanical 1:
  lines w0.254: -0.005,98.171 cw(c1.778,98.171) 1.905,99.949 ; 0,2.54 0,98.171 ; 0,2.921 ccw(c2.77,2.775) 2.77,0.001 ; 1.651,99.949 97.792,99.949 ; 2.413,0 96.901,0 ; 96.647,0 ccw(c96.901,3.048) 99.957,2.921 ; 97.792,99.915 cw(c97.018,97.088) 99.949,97.155 ; 99.949,2.667 99.949,97.536

## Text inside footprints (layer, text, board x,y; h text height)
JP2: Top Overlay "6" at 48.641,29.845 h1.02 r180; Top Overlay "5" at 48.641,32.385 h1.02 r180; Top Overlay "2" at 57.785,29.845 h1.02 r180; Top Overlay "1" at 57.531,32.385 h1.02 r180
JP8: Top Overlay "8" at 94.615,26.162 h1.02 r90; Top Overlay "1" at 97.155,14.732 h1.02 r90; Top Overlay "2" at 94.615,14.478 h1.02 r90; Top Overlay "7" at 97.155,26.162 h1.02 r90